# Altium PCB PCB_SAMARUC_7.PcbDoc (part 1 of 3) (continued)
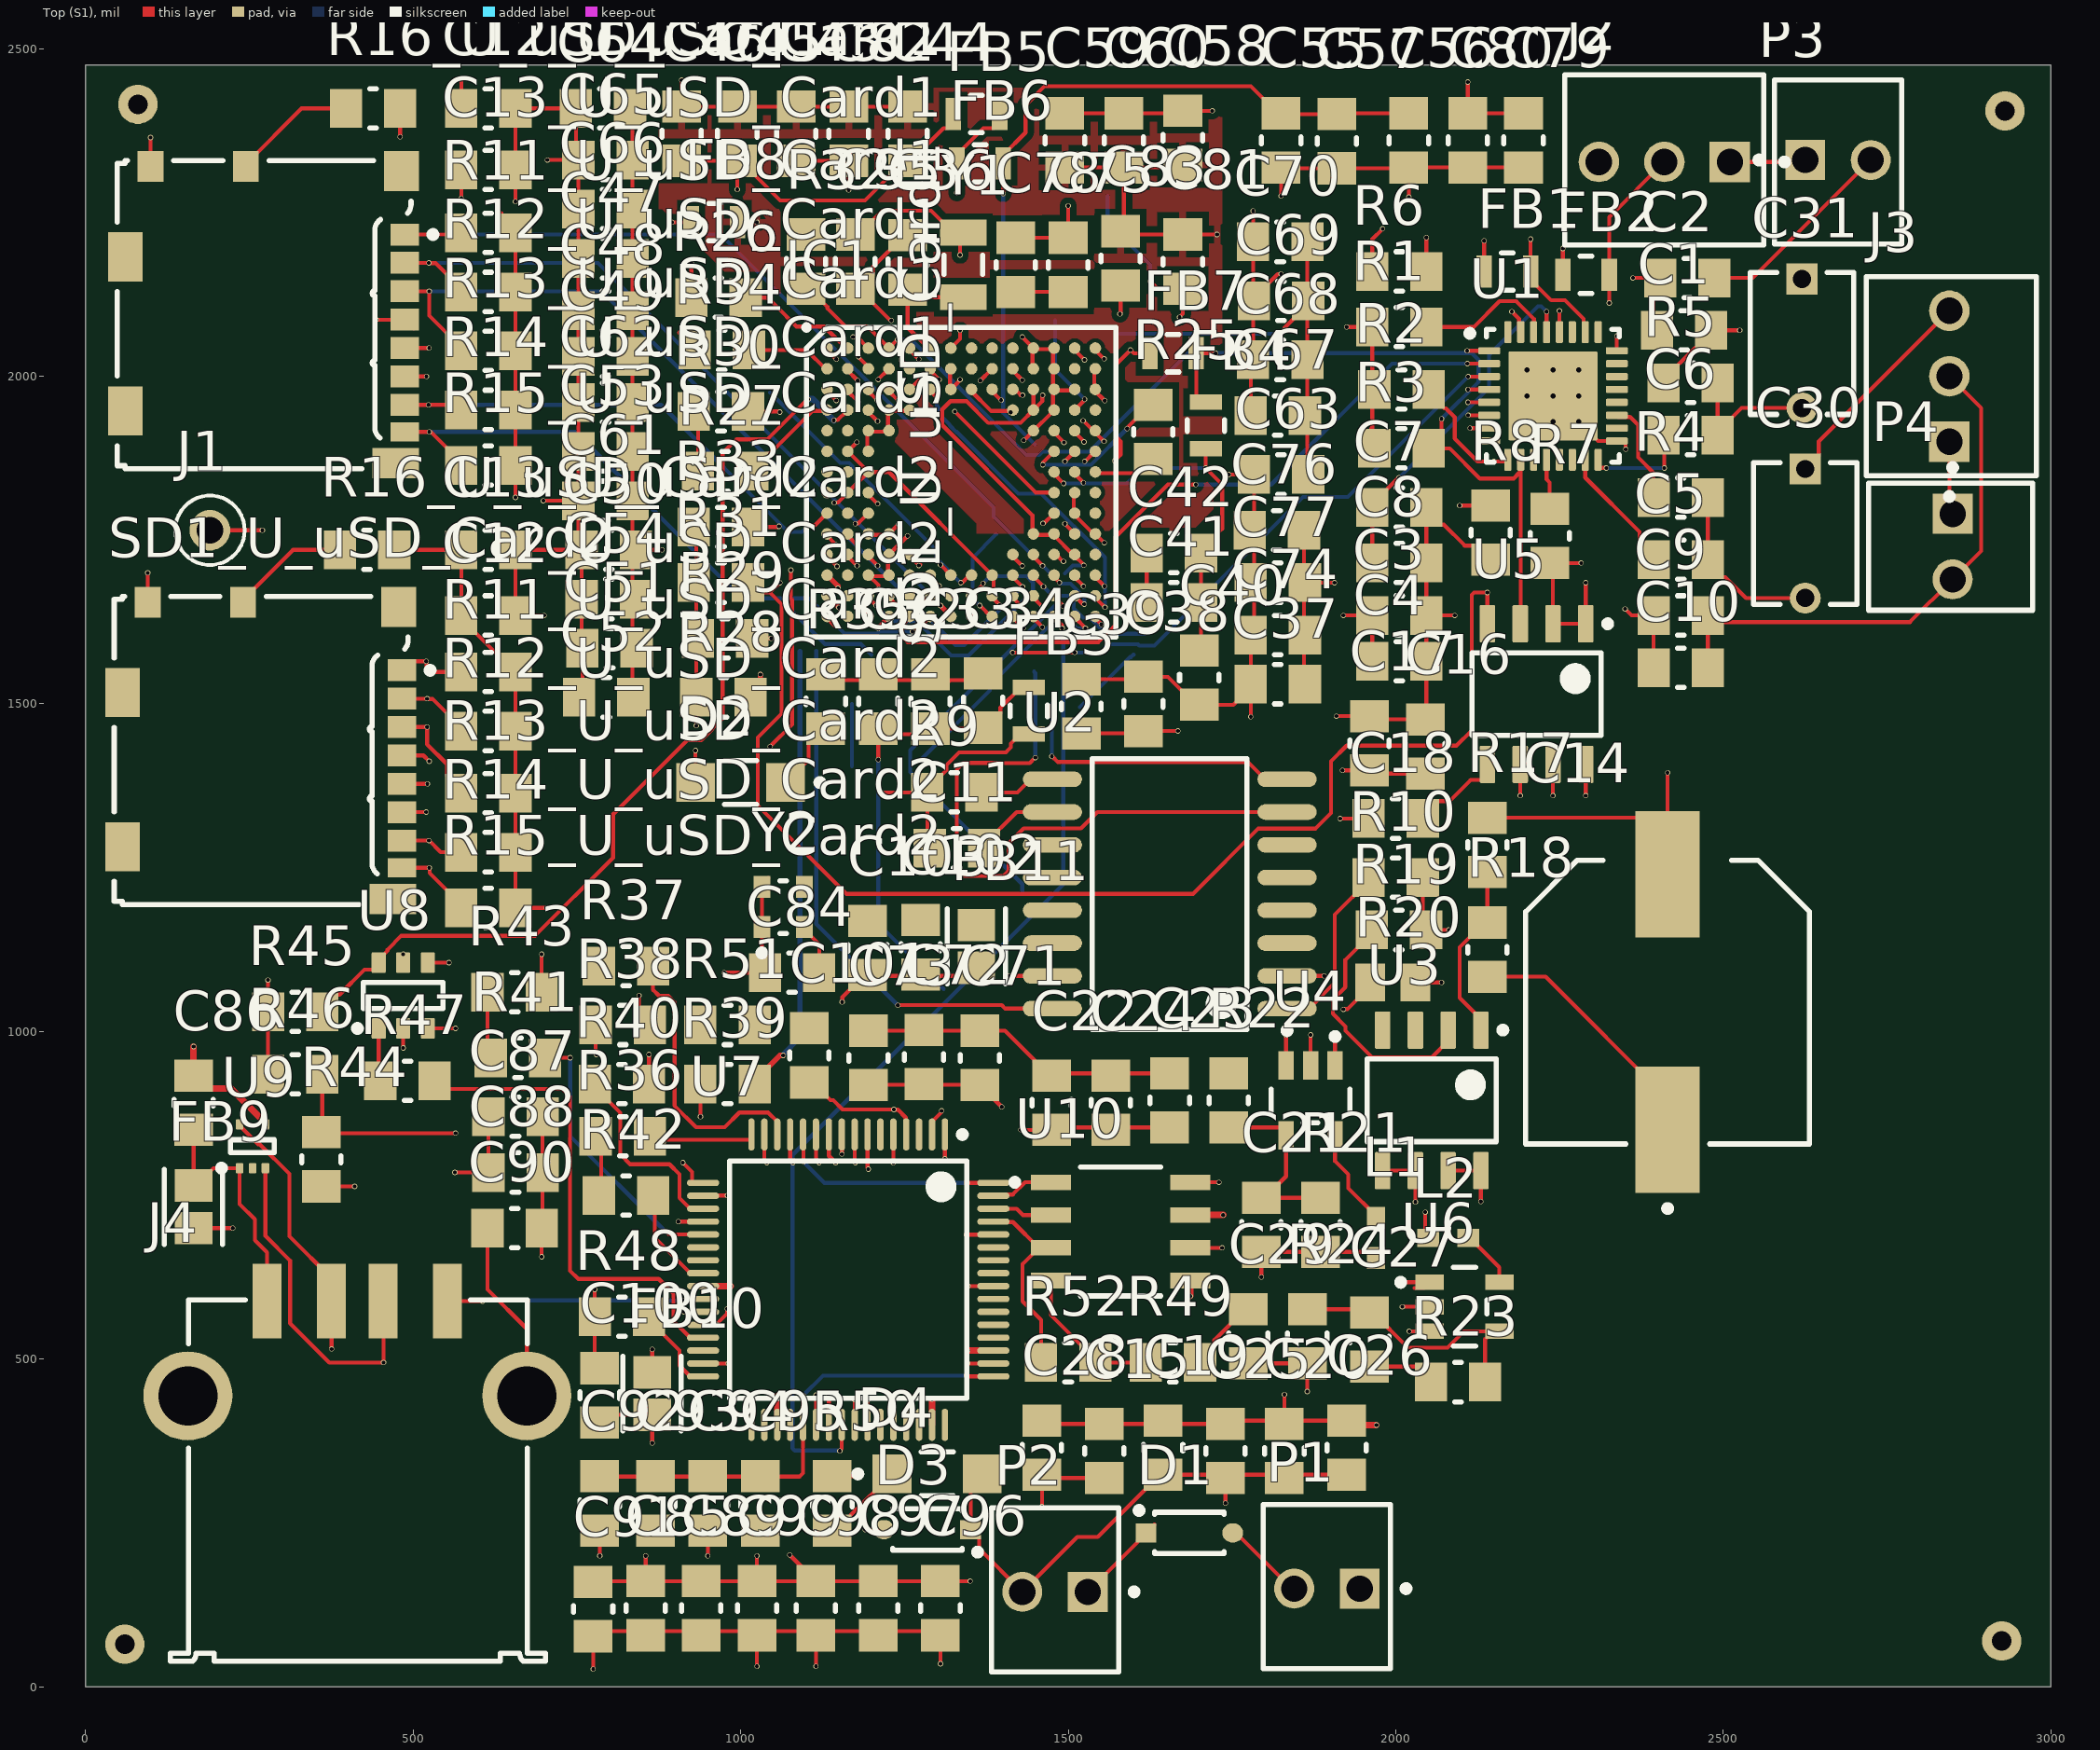
[diagram p0: Top (S1) view]
## Footprints (in the part's own frame and the unit in brackets; to place one, negate y for a bottom-side part, rotate by r counter-clockwise, add the part's x,y. Pads: shape width x height; smd on the part's side, far side on the other; paste and mask are expansions set on the pad) (continued)
  rrect3% 3.45x3.45 smd: 33(0,0)
  silkscreen extent -3.35,-2.58 2.58,2.57, body extent -2.5,-2.5 2.5,2.5, height 1
SMD-0603 [mm] "Chip Inductor, 2-Leads, Body 1.6x0.8mm"
  rect 0.85x0.7 smd: 1(-0.775,0) 2(0.775,0)
  body extent -0.8,-0.4 0.8,0.4, height 0.79

## Part data
C1 C2 C3 C4 C5 C6 C7 C8 C9 C10 C11 C12_U_uSD_Card1 C12_U_uSD_Card2 C13_U_uSD_Card1 C13_U_uSD_Card2 C15 C16 C17 C18 C19 C20 C21 C22 C23 C24 C25 C26 C27 C28 C29 C32 C33 C34 C35 C36 C37 C38 C39 C40 C41 C42 C43 C44 C45 C46 C47 C48 C49 C50 C51 C52 C53 C54 C55 C56 C57 C58 C59 C60 C61 C62 C63 C64 C65 C66 C67 C68 C69 C70 C71 C72 C73 C74 C75 C76 C77 C78 C79 C80 C81 C82 C83 C84 C85 C86 C87 C88 C89 C90 C91 C92 C93 C94 C95 C96 C97 C98 C99 C100 C101 C102 C103: library part Cap, "Capacitor", LatestRevisionDate=17-Jul-2002, LatestRevisionNote="Re-released for DXP Platform.", Published=8-Jun-2000, Publisher="Altium Limited"
C14: library part CMP-03024-000007-1, "CAP 470MF -20% +80% 3.5V SMD", Capacitance=470mF, Case/Package=Radial, ESR (Equivalent Series Resistance)=25R, Leakage Current=420uA, Max Operating Temperature=70°C, Min Operating Temperature=-25°C, Package Quantity=500, Tolerance=80%, Voltage=3.5V, Contact Plating=Tin, Depth=8.5mm, Diameter=10.5mm, Height=8.5mm, Height - Seated (Max)=0.335inch, Lead Pitch=5mm, Length=10.8mm, Mount="Surface Mount", Packaging="Tape and Reel", Radiation Hardening=No, REACH SVHC="No SVHC", RoHS Compliant=Yes, Termination=SMD/SMT, Voltage Rating=3.5V, Voltage Rating (DC)=3.5V, Width=10.8mm
C30 C31: library part CMP-06035-035073-1, "Cap Ceramic 10uF 50V X7R ±20% Radial 5mm +125°C Automotive Ammo Pack", Capacitance=10uF, Case/Package=Radial, Dielectric=X7R, Max Operating Temperature=125°C, Min Operating Temperature=-55°C, Package Quantity=500, Ratings=AEC-Q200, Resistor Type=Ceramic, Tolerance=20%, Voltage=50V, Depth=7.5mm, Diameter=5.5mm, Height=7.5mm, Height - Seated (Max)=0.295inch, Lead Diameter=0.5mm, Lead Free="Lead Free", Lead Pitch=0.197inch, Lead/Base Style="Formed Leads", Length=5.5mm, Mount="Through Hole", Packaging=Bulk, Termination=Radial, Voltage Rating=50V, Voltage Rating (DC)=50V, Width=4mm
D1 D3: library part CMP-1055-00425-2, "DIODE SCHOTTKY 20V 500MA SOD123", Average Rectified Current=500mA, Case/Package=SOD-123-2, Forward Voltage=385mV, Max Forward Surge Current (Ifsm)=5.5A, Max Operating Temperature=125°C, Max Repetitive Reverse Voltage (Vrrm)=20V, Max Reverse Leakage Current=250uA, Min Operating Temperature=-65°C, Package Quantity=3000, Contact Plating=Tin, Current Rating=500mA, Element Configuration=Single, Forward Current=500mA, Height=1.12mm, Lead Free="Lead Free", Length=2.69mm, Max Reverse Voltage (DC)=20V, Max Surge Current=5.5A, Number of Pins=2, Output Current=500mA, Packaging="Tape and Reel", Peak Non-Repetitive Surge Current=5.5A, Peak Reverse Current=250uA, Polarity=Standard, Radiation Hardening=No, REACH SVHC="No SVHC", Termination=SMD/SMT, Voltage Rating (DC)=20V, Width=1.6mm
D2 D4: library part CMP-22017-000004-1, "LED AMBER CLEAR SMD", Colour=Amber, Forward Current=30mA, Forward Voltage=2.1V, Manufacturer=Lite-On, Package=0, Power Dissipation=100mW, Reverse Voltage=5V, Temperature="-55°C to +85°C", Temperature Range High=+85°C, Temperature Range Low=-55°C, Automotive=No, Category=Diode, ComponentLink2Description=Datasheet, ComponentLink2URL=https://media.digikey.com/pdf/Data%20Sheets/Lite-On%20PDFs/LTST-C150AKT.pdf, Device Class L1=Optoelectronics, Device Class L2=LEDs, Device Class L3=unset, Digikey Description="LED AMBER CLEAR SMD", Height=1.2mm, Lead Free=Yes, Led Orientation="Top View", Luminous Intensity=6mcd, Manufacturer Part Number=LTST-C150AKT, Mouser Description="Standard LEDs - SMD Amber Clear 602nm", Octopart=https://octopart.com/ltst-c150akt-lite-on-549804, Peak Emmision Wavelength=610nm, RoHS=TRUE, Viewing Angle=130°, Wavelength=602nm
FB1 FB2 FB3 FB4 FB5 FB6 FB7 FB8: library part CMP-0686-00717-3, "Chip Ferrite Bead, 0805, 150Ω @ 100MHz, 0.09Ω, 25%, 1A", Case Code (Imperial)=0805, Case Code (Metric)=2012, Current Rating=800mA, DC Current=200mA, DC Resistance (DCR)=100mR, Max Operating Temperature=125°C, Min Operating Temperature=-55°C, Package Quantity=4000, Test Frequency=100MHz, Tolerance=25%, Case/Package=0805, Contact Plating=Tin, Core Material=Ferrite, DC Resistance-Max=100mR, Depth=1.45mm, Height=0.85mm, Impedance=150R, Lead Free="Lead Free", Length=2mm, Material=Ferrite, Max Current Rating=800mA, Max DC Current=200mA, Number of Circuits=1, Number of Lines=1, Number of Pins=2, Packaging="Tape and Reel", Radiation Hardening=No, REACH SVHC="No SVHC", RoHS Compliant=Yes, Series="EMIFIL®, BLM21A", Shielding=Unshielded, Termination=SMD/SMT, Weight=0.000194oz, Width=1.25mm
FB9 FB10 FB11: library part CMP-0686-00610-3, "Chip Ferrite Bead, 0805, 220Ω @ 100MHz, 0.045Ω, 25%, 2A", Case Code (Imperial)=0805, Case Code (Metric)=2012, Current=2A, DC Resistance (DCR)=45mR, Frequency=100MHz, Max Operating Temperature=125°C, Min Operating Temperature=-55°C, Package Quantity=1, Tolerance=25%, Case/Package=0805, Contact Plating=Tin, Core Material=Ferrite, Current Rating=2A, DC Current=2A, DC Resistance-Max=45mR, Depth=1.25mm, Height=0.85mm, Impedance=220R, Lead Free="Lead Free", Length=2mm, Material=Ferrite, Max Current Rating=2A, Max DC Current=2A, Military Standard=Not, Number of Circuits=1, Number of Lines=1, Number of Pins=2, Packaging="Tape and Reel", Radiation Hardening=No, REACH SVHC="No SVHC", RoHS Compliant=Yes, Series=BLM21P, Shielding=Unshielded, Termination=SMD/SMT, Test Frequency=100MHz, Width=1.25mm
IC1: "Integrated Circuit", Manufacturer_Name="Texas Instruments", Mouser Part Number=595-MS320C5535AZHH10, Arrow Part Number=TMS320C5535AZHH10, Arrow Price/Stock=https://www.arrow.com/en/products/tms320c5535azhh10/texas-instruments, Datasheet Link=https://www.ti.com/lit/ds/symlink/tms320c5535.pdf?ts=1611725836718&ref_url=https%253A%252F%252Fwww.ti.com%252Fstore%252Fti%252Fen%252Fp%252Fproduct%252F%253Fp%253DTMS320C5535AZAY10, Height=1.4mm, Manufacturer_Part_Number=TMS320C5535AZHH10, Mouser Price/Stock=https://www.mouser.co.uk/ProductDetail/Texas-Instruments/TMS320C5535AZHH10/?qs=bdKHSS5iKg4ejDTN3zE2OA%3D%3D
J1: library part CMP-2000-05575-2, "PC TEST POINT MINIATURE YELLOW", Manufacturer=Keystone, Automotive=No, Category=Conn, ComponentLink2Description=Datasheet, ComponentLink2URL=https://www.keyelco.com/product-pdf.cfm?p=1313, Contact Material=Silver, Device Class L1=Connectors, Device Class L2=unset, Device Class L3=unset, Digikey Description="PC TEST POINT MINIATURE YELLOW", Height=4.72mm, Is Female=yes, Lead Free=Yes, Manufacturer Part Number=5004, Mouser Description="TEST POINT PC MINI .040\"D YELLOW", Number Of Contacts=1, Octopart=https://octopart.com/5004-keystone-28591, Package=5004, RoHS=TRUE
J2 J3: library part CMP-04776-000113-1, "CONN HEADER VERT 3POS 2.54MM", Current Rating=4A, Manufacturer=Molex, Temperature="-40°C to +80°C", Temperature Range High=+80°C, Temperature Range Low=-40°C, Voltage Rating=500V, Automotive=No, Category=Conn, ComponentLink2Description=Datasheet, ComponentLink2URL=https://www.molex.com/webdocs/datasheets/pdf/en-us/0022112032_PCB_HEADERS.pdf, Conn Gender=Male, Conn Orientation=Vertical, Contact Material=Gold,Nickel, Device Class L1=Connectors, Device Class L2="Headers and Wire Housings", Device Class L3=unset, Digikey Description="CONN HEADER VERT 3POS 2.54MM", Footprint Url=https://www.molex.com/pdm_docs/sd/022112032_sd.pdf, Height=10.91mm, Lead Free=Yes, Manufacturer Part Number=22-11-2032, Mounting Type="Through Hole", Mouser Description="KK® 254 Solid Header, Vertical, with Friction Lock, 3 Circuits, Gold (Au) Plating", Number Of Contacts=3, Number Of Rows=1, Octopart=https://octopart.com/22-11-2032-molex-10085, Package=22-11-2032, Pitch=2.54mm, RoHS=TRUE
J4: library part CMP-1502-03240-1, "USB 2.0 Type A Receptacle WR-COM, Horizontal, SMT", Contact Resistance=20mOhm, Manufacturer="Wurth Elektronik", Operating Temperature=-40to105degC, Rated Current=1.5A, Working Voltage=30VAC, Connector Type=USB2.0TypeA, Datasheet URL=https://katalog.we-online.de/em/datasheet/62900416021.pdf, Gender=Receptacle, Manufacturer URL=http://www.we-online.de, Mounting Technology=SMT, Orientation=Horizontal, Package Reference=62900416021, Packaging=Tray, Part Number=62900416021, Publisher=WurthElektronik
L1 L2: library part CMP-0220-00111-1, "SMD EMI Suppression Ferrite Bead WE-CBF, Z = 2200 Ohm", ComponentLink1Description="Manufacturer Link", ComponentLink1URL=http://www.we-online.com, ComponentLink2Description=Datasheet, ComponentLink2URL=http://www.we-online.de/katalog/media/pdf/742792693.pdf, DatasheetVersion=Dec-2005, Impedance="2200 Ohm", PackageDescription="Chip Inductor, 2-Leads, Body 1.6 x 0.8 mm", PackageReference=SMD-0603, PackageVersion=2009
P1 P2 P3 P4: library part CMP-1704-00001-3, "Male Header, Pitch 2.54 mm, 1 x 2 Position, Height 10.67 mm, Tail Length 3.56 mm, 0 to 75 degC, RoHS, Bulk", Max Operating Temperature="75 degC", Min Operating Temperature="0 degC", Package Quantity=3000, ComponentLink1Description="Manufacturer URL", ComponentLink1URL=http://www.molex.com/, ComponentLink2Description=Datasheet, ComponentLink2URL=https://datasheet.ciiva.com/19454/232266-19454304.pdf, Height="10.67 mm", Length="5.08 mm", Mount="Through Hole", Mounting Technology="Through Hole", PackageDescription="Male Header, Pitch 2.54 mm, 1 x 2 Position, Height 10.67 mm, Tail Length 3.56 mm", Packaging=Bulk, PartNumber=22-23-2021, Pins=2, Radiation Hardening=No, REACH SVHC=Unknown, RoHSCompliant=True, Width="6.35 mm"
R1 R2 R3 R4 R5 R6 R7 R8 R9 R10 R11_U_uSD_Card1 R11_U_uSD_Card2 R12_U_uSD_Card1 R12_U_uSD_Card2 R13_U_uSD_Card1 R13_U_uSD_Card2 R14_U_uSD_Card1 R14_U_uSD_Card2 R15_U_uSD_Card1 R15_U_uSD_Card2 R16_U_uSD_Card1 R16_U_uSD_Card2 R17 R18 R19 R21 R22 R23 R24 R25 R26 R27 R28 R29 R30 R31 R32 R33 R34 R35 R36 R37 R38 R39 R40 R41 R42 R43 R44 R45 R46 R47 R48 R49 R50 R51 R52: library part Res1, "Resistor", LatestRevisionDate=17-Jul-2002, LatestRevisionNote="Re-released for DXP Platform.", Published=8-Jun-2000, Publisher="Altium Limited"
R20: library part CMP-1013-00002-2, Manufacturer=Panasonic, Part Number=ERJ-6GEYJ1R0V
SD1_U_uSD_Card1 SD1_U_uSD_Card2: library part CMP-2000-05825-1, "Micro SD Card, RA, -25 to 85 degC, 8-Pin SMD, RoHS, Tape and Reel", Current Rating=500mA, Manufacturer=Molex, Package Description="8-Pin Surface Mount Device, Body 11.95 x 11.4 mm, Pitch 1.1 mm", Voltage Rating=10VAC/DC, Brand=Molex, Card Type=microSD, Contact Material=PhosphorBronze, Contact Plating=Gold, Datasheet URL=http://www.molex.com/pdm_docs/sd/1040310811_sd.pdf, Datasheet Version="Rev. E, 04/2006", Height=1.42mm, Housing Material=LiquidCrystalPolymer(LCP), Insertion - Extraction Style=Push-Pull, Length=11.4mm, Manufacturer URL=http://www.molex.com/, Mating Cycles=10000, Mounting Technology=SurfaceMount, Mounting Type=Standard, Number Of Contacts=8, Number Of Rows=1Row, Orientation=RightAngle, Package Reference=104031-0811, Packaging=Reel, Pitch=1.1mm, Product=CardConnectors, Product Category=MemoryCardConnectors, RoHS=True, Series=104031, Termination Style=SMD
U1: library part CMP-0331-00080-2, "Very Low-Power Stereo Audio CODEC with Power Tune? Technology, 2 ADCs and 2 DACs, 100 dB DAC SNR, -40 to 85 degC, 32-pin QFN (RHB), Green (RoHS & no Sb/Br)", Battery Powered=TRUE, Manufacturer="Texas Instruments", # ADCs (typ)=2, # DACs=2, Additional Features="PowerTune (tm), Processing blocks for digital audio effects, LP Bypass, PLL, Digital Mic Support, LDO", Code_JEDEC=MO-220, ComponentLink1Description=Datasheet, ComponentLink1URL=http://www.ti.com/general/docs/lit/getliterature.tsp?genericPartNumber=TLV320AIC3204&fileType=pdf, Control Interface="SPI, I2C", DAC SNR=100, DatasheetVersion=SLOS602A, Digital Audio Interfaces="L, R, I2S, TDM, DSP", Mounting Technology="Surface Mount", PackageDescription="32-Pin Plastic Quad Flat No-Lead, 5 x 5 mm Body, 0.5 mm Pitch, 3.45 x 3.45 mm Exposed Pad", PackageReference=RHB0032E, PackageVersion="revD, Jun-2011", PartNumber=TLV320AIC3204IRHBT, Sampling Rate (Max) (kHz)=192
U2: library part CMP-0357-00029-1, "64 Mb (x1) Serial NOR Flash Memory, 75 MHz, 2.7 to 3.6 V, 16-pin SO16 Wide (MF), Tape & Reel", Manufacturer=Micron, Package="SO16 WideÂ", Voltage=2.7V-3.6VÂ, Applications=EmbeddedÂ, ComponentLink1Description="Manufacturer URL", ComponentLink1URL=http://www.micron.com/, ComponentLink2Description=Datasheet, ComponentLink2URL=http://www.micron.com/~/media/Documents/Products/Data%20Sheet/NOR%20Flash/Serial%20NOR/M25P/M25P64.pdf, ComponentLink3Description="Package Specification", ComponentLink3URL=http://www.micron.com/~/media/Documents/Products/Data%20Sheet/NOR%20Flash/Serial%20NOR/M25P/M25P128.pdf, DatasheetVersion="Rev. 12", Density=64MbÂ, Mounting Technology="Surface Mount", PackageDescription="16-Pin SO Wide, 7.5 X 10.3 mm, Pitch 1.27 mm", PackageReference=MICT-MF-16, PackageVersion="Rev. A", Part Family=M25PÂ, Part Status=ProductionÂ, PartNumber=M25P64-VMF6TP, RoHS=YesÂ, Speed="75 MHzÂ", Type="Data StorageÂ", Width=x1Â
U3: library part CMP-0394-00011-2, "Single Output LDO, 250 mA, Adjustable 1.25 to 5.5 V Output, 2.7 to 10 V Input, with Low IQ, 8-pin SOIC (D), -40 to 125 degC, Green (RoHS & no Sb/Br)", Manufacturer="Texas Instruments", Power Good=TRUE, Rating=Catalog, Code_JEDEC=MS-012, ComponentLink1Description="Manufacturer URL", ComponentLink1URL=http://www.ti.com/, ComponentLink2Description=Datasheet, ComponentLink2URL=http://www.ti.com/general/docs/lit/getliterature.tsp?genericPartNumber=TPS76601&fileType=pdf, ComponentLink3Description="Package Specification", ComponentLink3URL=http://www.ti.com/litv/pdf/msoi002j, DatasheetVersion=SLVS237C, Eco-Plan="Green (RoHS & no Sb/Br)", Iout(Max)(A)=0.25, Iq(Typ)(mA)=0.03, Mounting Technology="Surface Mount", PackageDescription="8-Pin Plastic Small Outline, Body 4.9 x 3.9 mm, Pitch 1.27 mm", PackageReference=D0008A, PackageVersion=4040047-3/M, PartNumber=TPS76601D, SubFamily="Single Channel LDO", Vdo(Typ)(mV)=140, Vin(Max)(V)=10, Vin(Min)(V)=2.7, Vout Adj(Max)(V)=5.5, Vout Adj(Min)(V)=1.25
U4 U6: library part CMP-04918-000295-1, "IC REG BUCK ADJ 600MA SOT23-5", Case/Package=SOT, Max Input Voltage=6V, Max Operating Temperature=85°C, Max Output Current=600mA, Min Input Voltage=2V, Min Operating Temperature=-40°C, Min Output Voltage=600mV, Nominal Supply Current=15uA, Package Quantity=250, Switching Frequency=2.5MHz, Contact Plating=Gold, Height=1mm, Lead Free="Lead Free", Length=3.05mm, Max Output Voltage=6V, Mount="Surface Mount", Number of Outputs=1, Number of Pins=5, Operating Supply Voltage=6V, Output Configuration=Positive, Output Current=600mA, Output Type=Adjustable, Output Voltage=6V, Packaging="Tape and Reel", Quiescent Current=15uA, Radiation Hardening=No, REACH SVHC="No SVHC", RoHS Compliant=Yes, Series=TPS62260, Synchronous Rectifier=Yes, Width=3.05mm
U5: library part CMP-0704-00006-2, "Zero-Drift, Bi-Directional Current / Power Monitor, 3 to 5.5 V, -40 to 125 degC, 8-pin SOIC (D8), Green (RoHS & no Sb/Br)", Manufacturer="Texas Instruments", Quiescent Current (+/-)(Typ)(mA)=0.7, Rating=Catalog, CMRR(Min)(dB)=100, Code_JEDEC=MS-012, Common Mode Range(Max)(V)=26, Common Mode Range(Min)(V)=0, ComponentLink1Description="Manufacturer URL", ComponentLink1URL=http://www.ti.com/, ComponentLink2Description=Datasheet, ComponentLink2URL=http://www.ti.com/general/docs/lit/getliterature.tsp?genericPartNumber=INA219&fileType=pdf, ComponentLink3Description="Package Specification", ComponentLink3URL=http://www.ti.com/lit/ml/msoi002j/msoi002j.pdf, DatasheetVersion=SBOS448F, Eco-Plan="Green (RoHS & no Sb/Br)", Gain(V/V)="1, 0.5, 0.25, 0.125", Input Offset (+/-)(Max)(uV)=100, Mounting Technology="Surface Mount", PackageDescription="8-Pin Plastic Small Outline, Body 4.9 x 3.9 mm, Pitch 1.27 mm", PackageReference=D0008A, PackageVersion="4040047-3/M, 06/2011", PartNumber=INA219AID, Small-Signal Bandwidth(Typ)(MHz)=0.011, SubFamily="Current Shunt Monitor", Vs(Max)(V)=5.5, Vs(Min)(V)=3
U7: library part CMP-2000-06287-1, "Dual High Speed USB to Multipurpose UART / FIFO IC / , 3 to 3.6 V, -40 to 85 degC, 64- Pin LQFP, RoHS", Manufacturer=FTDI, Maximum Operating Temperature=+85°C, Minimum Operating Temperature=-40°C, Package Description="64-Pin Low-profile Quad Flat Package, Body 10 x 10 mm, Pitch 0.5 mm", Package Reference=LQFP-64, Package Type=LQFP, Datasheet URL=http://www.ftdichip.com/Support/Documents/DataSheets/ICs/DS_FT2232H.pdf, Datasheet Version="Rev. 2.5, 07/2016", Dimensions=10x10x1.4mm, Height=1.4mm, Length=10mm, Manufacturer URL=http://www.nxp.com/, Maximum Data Rate=480Mbit/s, Mounting Technology=SurfaceMount, Mounting Type=SurfaceMount, Number of Channels per Chip=2, Pin Count=64, Standard Supported=RS232,RS422,RS485, Width=10mm
U8: library part CMP-0859-00200-3, "Single D-Type Flip-Flop with Asynchronous Clear, DBV0006A, LARGE T&R", F @ Nom Voltage(Max)(Mhz)=150, Generic Part Number=SN74LVC1G175, ICC @ Nom Voltage(Max)(mA)=0.01, Manufacturer="Texas Instruments", Operating Temperature Range(C)="-40 to 125,-40 to 85", Rating=Catalog, tpd @ Nom Voltage(Max)(ns)=13.4,7.1,5.7,4, Voltage(Nom)(V)=1.8,2.5,3.3,5, 3-State Output=No, Bits(#)=1, DatasheetVersion=SCES560F, Input Type=CMOS/TTL, Logic=True, Output Drive (IOL/IOH)(Max)(mA)=32/-32, Output Type=CMOS, PackageReference=DBV0006A, Schmitt Trigger=No, Sub-Family="D-Type Flip-Flop", Technology Family=LVC, VCC(Max)(V)=5.5, VCC(Min)(V)=1.65
U9: library part CMP-0326-00048-3, "Low-Capacitance + / - 15 kV ESD-Protection Array for High-Speed Data Interfaces, 2 Channels, -40 to +85 degC, 5-pin SOT (DRL), Green (RoHS & no Sb/Br)", Breakdown Voltage(Min)(V)=11, IO Capacitance(Typ)(pF)=1.5, IO Leakage Current(nA)=1, Manufacturer="Texas Instruments", ComponentLink1Description="Manufacturer URL", ComponentLink1URL=http://www.ti.com/, ComponentLink2Description=Datasheet, ComponentLink2URL=http://www.ti.com/general/docs/lit/getliterature.tsp?genericPartNumber=TPD2E001&fileType=pdf, ComponentLink3Description="URL Link1", ComponentLink3URL=SamplesURL:http://www.ti.com/product/tpd2e001#samples, DatasheetVersion=SLLS684F, Eco-Plan="Green (RoHS & no Sb/Br)", IEC 61000-4-2 Air-Gap(+/- kV)=15, IEC 61000-4-2 Contact(+/- kV)=8, Mounting Technology="Surface Mount", PackageDescription="5-Pin Plastic Small Outline, Flat Lead 0.5 mm Pitch", PackageReference=DRL0005A, PackageVersion="revD, Aug-2007", PartNumber=TPD2E001DRLR, SubFamily="ESD Solution", USB High Speed=TRUE
U10: library part CMP-06313-000016-1, "IC EEPROM 1K SPI 2MHZ 8SOIC", Frequency=2MHz, Manufacturer=Microchip, Max Supply Voltage=5.5V, Min Supply Voltage=1.8V, Nominal Supply Current=0.5mA, Package=C04-057-SN, Temperature="-40°C to +85°C", Temperature Range High=+85°C, Temperature Range Low=-40°C, Access Time=1000ns, Automotive=No, Category=IC, ComponentLink2Description=Datasheet, ComponentLink2URL=http://ww1.microchip.com/downloads/en/DeviceDoc/20006224B.pdf, Device Class L1="Integrated Circuits (ICs)", Device Class L2=Memory, Device Class L3=EEPROM, Digikey Description="IC EEPROM 1K SPI 2MHZ 8SOIC", Height=1.75mm, Interface=Other, Ipc Land Pattern Name=SOIC127P600X175-8, Lead Free=Yes, Manufacturer Part Number=AT93C46DN-SH-T, Memory Size=1Kbits, Memory Type=EEPROM, Mouser Description="EEPROM Serial-3Wire 1K-Bit 128 x 8/64 x 16 2.5V/3.3V/5V 8-Pin SOIC T/R", Octopart=https://octopart.com/at93c46dn-sh-t-microchip-77759177, RoHS=TRUE, Standoff Height=0.1mm
Y1: library part CMP-27762-003010-1, "CRYSTAL 32.7680KHZ 12.5PF SMD", Case/Package=SMD/SMT, ESR (Equivalent Series Resistance)=55kR, Frequency=32.768kHz, Frequency Tolerance=20ppm, Load Capacitance=12.5pF, Max Operating Temperature=85°C, Min Operating Temperature=-40°C, Package Quantity=1, Height=0.015inch, Lead Free="Lead Free", Length=0.126inch, Mount="Surface Mount", Number of Pins=2, Packaging="Tape and Reel", Radiation Hardening=No, RoHS Compliant=Yes, Series=ABS07L, Series Resistance=55kR, Termination=SMD/SMT, Tolerance=20ppm, Width=0.059inch
Y2: library part CMP-27762-002611-1, "MEMS Oscillator 12MHz ±50ppm LVCMOS 3.3V SMD 2.5x2mm", Case/Package=SMD/SMT, Frequency=12MHz, Frequency Stability=50ppm, Load Capacitance=15pF, Max Operating Temperature=85°C, Max Supply Current=10mA, Max Supply Voltage=3.6V, Min Operating Temperature=-40°C, Min Supply Voltage=3V, Operating Frequency="12 MHz", Operating Supply Voltage=3.3V, Package Quantity=1000, Height=0.035inch, Lead Free="Lead Free", Length=0.098inch, Mount="Surface Mount", Number of Pins=4, Packaging="Tape and Reel", RoHS Compliant=Yes, Series="Pure Silicon™ ASDM", Termination=SMD/SMT, Width=0.079inch

## Free pads (board coordinates)
  round 60 hole 30: 1(60,65) 2(2925,70) 3(2930,2405) 4(80,2415)

## Via types
v1: diameter 8, hole 6, Top (S1) to S2, 114 vias
v2: diameter 8, hole 6, Top (S1) to GND1, 79 vias
v3: diameter 8, hole 6, Top (S1) to PWR, 68 vias
v4: diameter 8, hole 6, Top (S1) to Bottom (S3), 49 vias
v5: diameter 8, hole 6, S2 to Bottom (S3), 22 vias
v6: diameter 8, hole 6, PWR to Bottom (S3), 9 vias
v7: diameter 19.68, hole 7.87, Top (S1) to Bottom (S3), 9 vias
v8: diameter 8, hole 6, GND2 to Bottom (S3), 1 vias

## Nets (pads, with @x,y where several pads share a name; then routed paths per layer and width w, separated by ;. In a path a pad name is that pad's centre, name@x,y a point inside that pad or via, vN(x,y) a via of type N, cw(c..) or ccw(c..) an arc to the next point about the centre after c; other vN are vias at no path point)
AGND: C43.1 C44.1 C45.1 C46.1 C58.1 C59.1 C60.1 C81.1 C82.1 C83.1 FB8.1 IC1.A1 IC1.B6 IC1.C9 IC1.F13 IC1.J12 | length 950.9
  Top (S1) w6: v2(910,2451.91) C46.1@910,2411.34 C45.1@995,2411.34 C43.1@1085,2411.34 C82.1@1165,2411.34 C44.1@1255,2411.34 ; FB8.1@995.43,2235 v2(1025,2235) ; IC1.A1@1130.55,2041.46 v2(1146.1,2025.9) ; IC1.B6@1288.03,2009.96 v2(1302.99,1995) ; IC1.C9@1382.52,1978.46 v2(1397.67,1963.32) ; v2(1461.51,1775.38) 1461.89,1775.77 1463.28,1775.77 IC1.J12@1477.01,1789.49 ; v2(1495,1870) 1495,1870.26 1508.5,1883.76 IC1.F13@1508.5,1883.98 ; C59.1@1495,2318.66 C60.1@1585,2318.66 ; C58.1@1675,2322.32 1671.34,2318.66 C60.1@1585,2318.66 ; v2(1727.31,2216.34) C81.1@1675,2216.34 1585,2216.34 C83.1@1580,2221.34 1585,2226.34 C60.1@1585,2318.66
ANA_LDO_OUT: C43.2 C81.2 C82.2 IC1.B7 IC1.B9 IC1.C7 | length 1318.2
  Top (S1) w6: C43.2@1085,2328.66 C82.2@1165,2328.66 v1(1165,2284.31) ; IC1.B7@1319.53,2009.96 1319.53,1978.46 1334.62,1993.55 1334.62,1994.62 v1(1335,1995) ; v1(1365.83,1993.28) IC1.B9@1382.5,2009.96 ; v4(1625,2145) 1636.34,2133.66 C81.2@1675,2133.66 1675,2095.54 1670,2090.54 v1(1670,2090)
  S2 w6: v1(1165,2284.31) 1179.31,2270 1231.81,2270 1257.81,2296 1539,2296 v5(1560,2275) ; v1(1335,1995) 1363.57,1995 1365.29,1993.28 v1(1365.83,1993.28) 1365.83,1969.17 1383,1952 1555.76,1952 1659.49,2055.73 1659.49,2079.49 v1(1670,2090)
  Bottom (S3) w6: v5(1560,2275) 1560,2235 1625,2170 v4(1625,2145)
CLK_12MHz: IC1.C1 IC1.E14 R8.2 U1.1 U7.2 Y2.3 | length 2690.3
  Top (S1) w6: IC1.C1@1130.55,1978.46 v1(1146.04,1962.98) ; U7.2@1292.17,842.91 1292.17,862.6 1306.62,877.05 1306.62,878.75 v1(1307,879.13) ; v1(1522.74,1932) 1523.28,1932 1538.32,1916.97 IC1.E14@1541.46,1916.97 ; IC1.E14@1540,1915.47 v1(1554.79,1900.68) ; v1(2097.52,1802.68) R8.2@2145,1802.68 ; v1(2108.99,2038.9) U1.1@2142.56,2038.9
  S2 w6: v1(1146.04,1962.98) 1159.52,1962.98 1176.54,1980 1265,1980 1314.9,1930.1 1417.41,1930.1 1419.31,1932 v1(1522.74,1932) ; v1(1307,879.13) 1307.13,879.26 1307.13,892.13 1462.87,1047.87 1462.87,1095.24 1497.31,1129.69 1497.31,1141.93 2097.52,1742.13 v1(2097.52,1802.68) ; v1(1554.79,1900.68) 1555.33,1900.68 1560.64,1906 1994.19,1906 v1(2097.52,1802.68) ; v1(2108.99,2038.9) 2126.16,2021.73 2126.16,1926.52 2124,1924.36 2124,1829.16 v1(2097.52,1802.68)
DSP_LDO_OUT: C47.2 C48.2 C49.2 C50.2 C51.2 C52.2 C53.2 C54.2 C61.2 C62.2 C63.2 C64.2 C65.2 C66.2 C67.2 C68.2 C69.2 C70.2 IC1.A13 IC1.C11 IC1.D3 IC1.D11 IC1.F2 IC1.G3 IC1.H2 IC1.K11 IC1.K12 IC1.L13 IC1.M6 IC1.M9 IC1.N9 | length 3462.7
  Top (S1) w6: C64.2@831.34,2408.72 835,2405.06 C65.2@835,2330 C66.2@835,2255 C47.2@835,2180 C48.2@835,2100 C49.2@835,2030 C62.2@835,1960 C53.2@835,1885 C61.2@835,1810 835,1511.34 C52.2@836.34,1510 ; C50.2@840,1735 v1(880,1735) ; v1(1142.91,1807.09) 1143.29,1807.47 1148.5,1807.47 IC1.H2@1163.5,1822.48 IC1.G3@1193.5,1852.48 ; v1(1177.54,1899.47) IC1.F2@1163.5,1885.47 1193.54,1855.43 IC1.G3@1193.54,1852.48 ; IC1.D3@1193.54,1946.97 v1(1209.04,1931.47) ; IC1.G3@1195,1853.98 1226.5,1853.98 IC1.M9@1383.98,1696.5 ; IC1.M6@1288.03,1695 v1(1303.03,1680) ; IC1.M9@1382.52,1695 1386,1691.52 1386,1666.98 1382.52,1663.5 1383.06,1663.5 1395.5,1651.07 v1(1395.5,1650.52) ; IC1.C11@1446.97,1979.96 IC1.D11@1446.97,1948.46 ; v1(1461,1971) 1460.62,1970.62 1460.62,1962.11 IC1.D11@1446.97,1948.46 ; IC1.A13@1508.5,2041.46 v1(1524.96,2025) ; v4(1523.96,1711.42) 1523.96,1711.96 1509.4,1726.52 1508.48,1726.52 1477.01,1757.99 1445.51,1757.99 1445.51,1787.63 1307.49,1925.66 1307.49,1949.17 1320.42,1962.1 1344.76,1962.1 1377.85,1929.01 1427.51,1929.01 IC1.D11@1446.97,1948.46 ; 1830.38,2074.12 C69.2@1865,2108.74 ; C69.2@1865,2115 C70.2@1865,2205 ; C63.2@1866.34,1850 1865,1851.34 C68.2@1865,2025 C69.2@1865,2108.74 ; C69.2@1866.34,2115 1866.34,2110.08 C69.2@1865,2108.74
  S2 w6: v1(880,1735) 1045,1735 1117.51,1807.51 1122.49,1807.51 1122.91,1807.09 v1(1142.91,1807.09) ; v1(1177.54,1899.47) 1194.47,1899.47 1209.04,1914.04 v1(1209.04,1931.47) ; v1(1303.03,1680) 1322.55,1680 1338.58,1663.97 1382.05,1663.97 v1(1395.5,1650.52) 1409.64,1664.67 1488.91,1664.67 1502.67,1678.43 1502.67,1691.69 v5(1495,1699.36) ; v1(1461,1971) 1514.62,2024.62 1520.64,2024.62 ; v1(1524.96,2025) 1545.15,2045.19 1560.19,2045.19 1569.4,2054.4 1569.4,2055.4 v5(1579,2065)
  Bottom (S3) w6: v5(1495,1699.36) 1507.06,1711.42 v4(1523.96,1711.42) ; v5(1579,2065) 1825,2065 v6(1830,2070)
  other v3: 1830,2070